# Altium PCB DIOT_Backplane.pcbdoc (part 1 of 11) (continued)
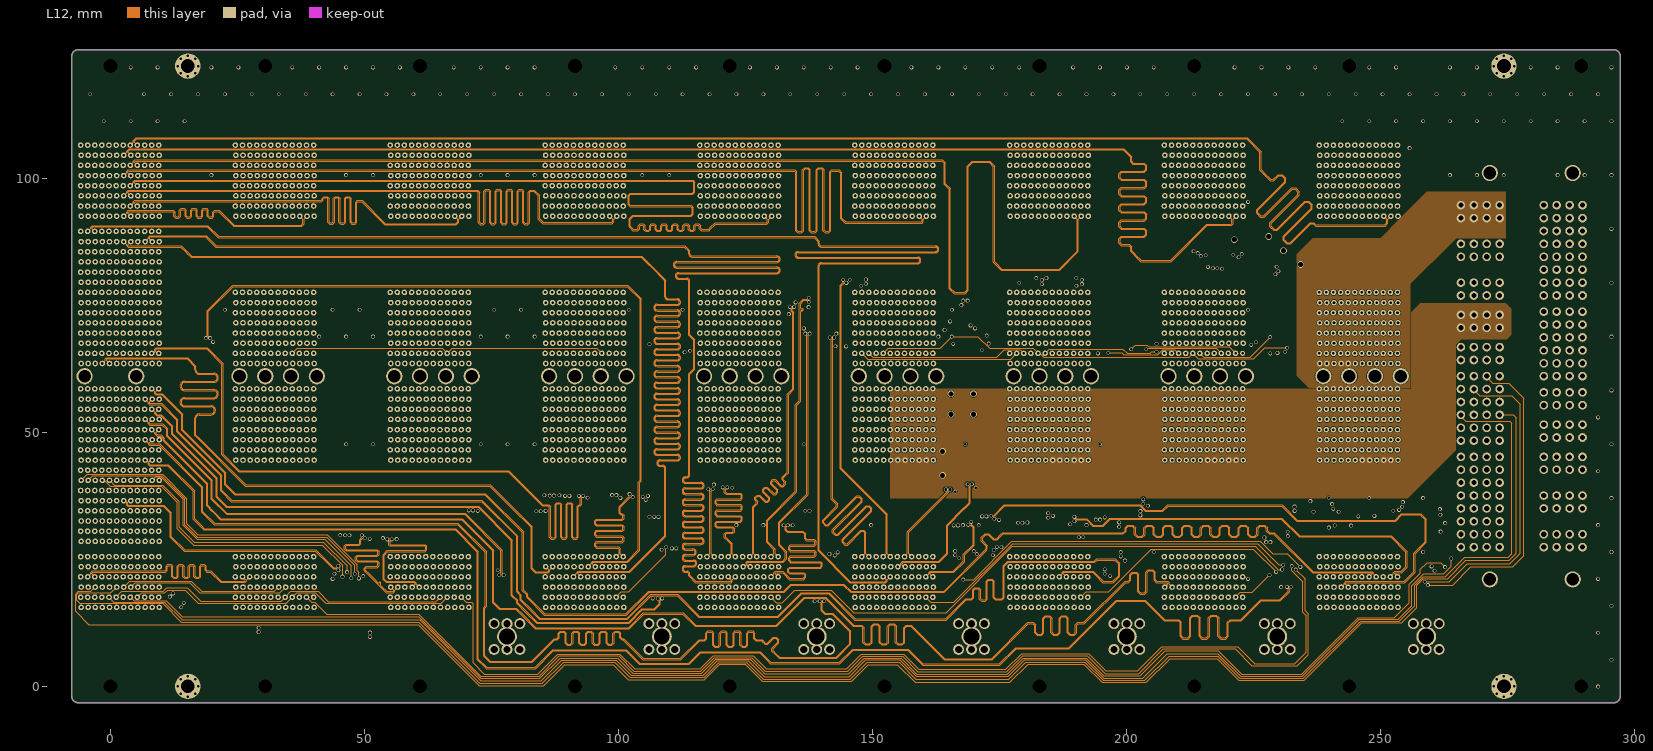
[diagram p12: L12]
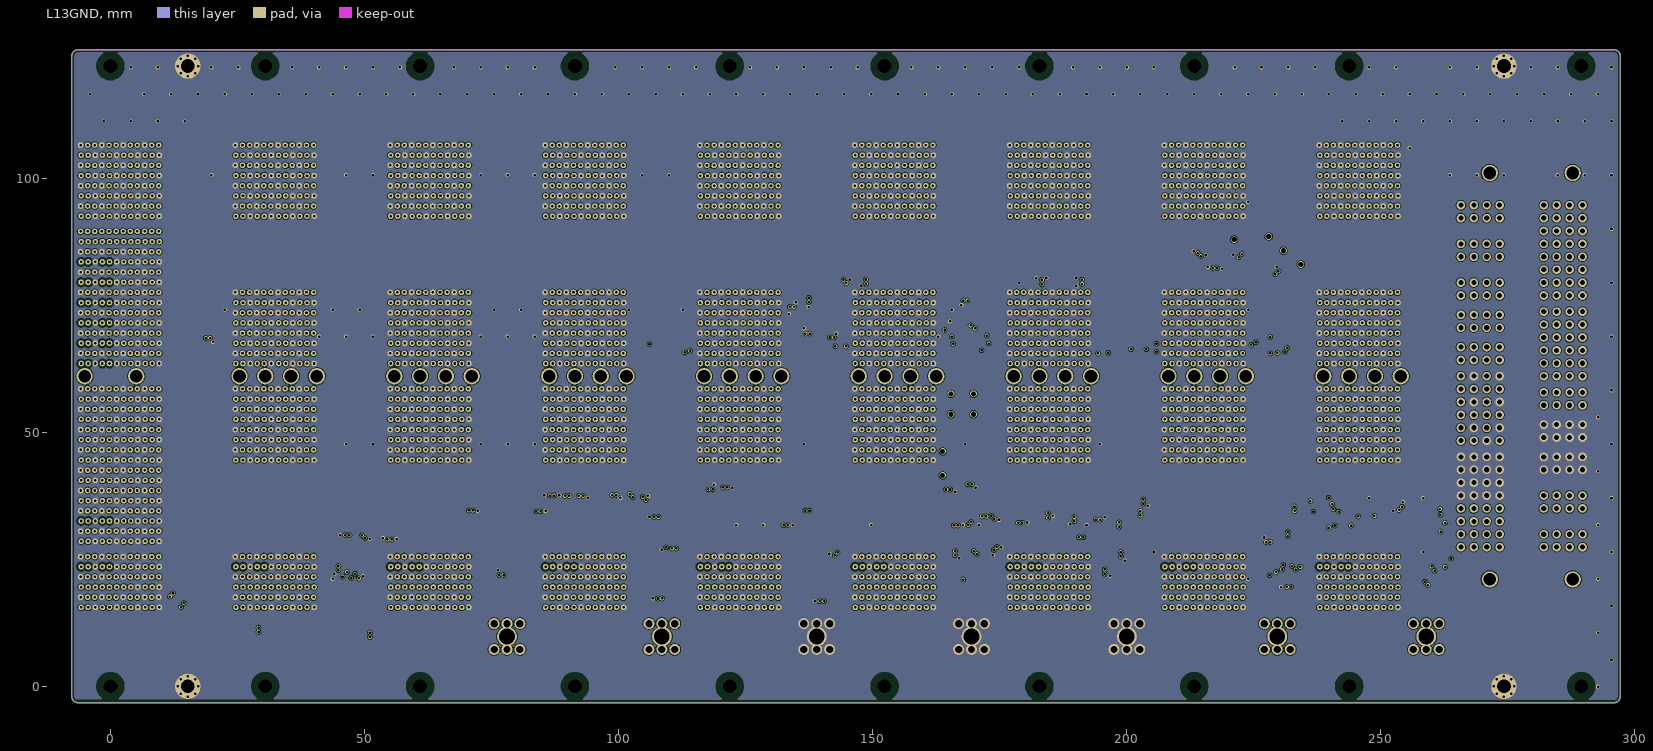
[diagram p13: L13GND]

## Layer stack, top to bottom
Top Solder: solder mask 0.01, Solder Resist, Dk 3.5
Top Layer: signal copper 0.035
Dielectric1: dielectric 0.18, FR-4, Dk 4.3
L2: signal copper 0.0175
Dielectric2: dielectric 0.2, FR-4, Dk 4.3
L3GND: signal copper 0.0175
Dielectric3: dielectric 0.18, FR-4, Dk 4.3
L4: signal copper 0.0175
Dielectric4: dielectric 0.2, FR-4, Dk 4.3
L5GND: signal copper 0.0175
Dielectric5: dielectric 0.18, FR-4, Dk 4.3
L6: signal copper 0.0175
Dielectric6: prepreg 0.2, FR-4, Dk 4.3
L7GND: signal copper 0.0175
Dielectric7: prepreg 1.5, FR-4, Dk 4.3
L8: signal copper 0.0175
Dielectric8: dielectric 0.2, FR-4, Dk 4.3
L9GND: signal copper 0.0175
Dielectric9: dielectric 0.18, FR-4, Dk 4.3
L10: signal copper 0.0175
Dielectric10: dielectric 0.2, FR-4, Dk 4.3
L11GND: signal copper 0.0175
Dielectric11: dielectric 0.18, FR-4, Dk 4.3
L12: signal copper 0.0175
Dielectric12: dielectric 0.2, FR-4, Dk 4.3
L13GND: signal copper 0.0175
Dielectric13: dielectric 0.18, FR-4, Dk 4.3
Bottom Layer: signal copper 0.035
Bottom Solder: solder mask 0.01, Solder Resist, Dk 3.5

## Board outline
-7.6,-1.997 -7.6,124.1 cw(c-6.4,124.1) -6.4,125.3 296,125.3 cw(c296,124.1) 297.2,124.1 297.2,-2 cw(c296,-2) 296,-3.2 -6.4,-3.2 cw(c-6.4,-2)

## Design rules (kind name [scope] priority, off if disabled: settings)
AcuteAngle [All] p1: minimum=6.00000000000000E+0001 checktracksonly=FALSE
Clearance Clearance_Diff2Diff [InAnyDifferentialPair vs InAnyDifferentialPair] p1 off: gap=0.3 ignorepadtopadclearanceinfootprint=FALSE
Clearance Clearance_KeepOut [IsKeepOut vs (InPadClass('DIN')) or InPolygon] p2: gap=0.4 ignorepadtopadclearanceinfootprint=FALSE except(0.1: Arc-THPad Track-THPad)
Clearance Clearance_Diff_poly [IsRegion and not InNet('GND') vs InNetClass('SIGNAL') or InNetClass('CLK')] p3: gap=0.3 ignorepadtopadclearanceinfootprint=FALSE
Clearance Clearance_Mires [OnLayer('Keep-Out Layer') vs HasFootprint('FIDUCIAL_TOP_S200-400') or HasFootprint('FIDUCIAL_TOP_C100-200') or HasFootprint('FIDUCIAL_TOP_S100-200')] p4: gap=0 ignorepadtopadclearanceinfootprint=FALSE except(4.9: Arc-SMDPad Track-SMDPad)
Clearance Clearance_power_poly [(InNet('Vext1') or InNet('Vext2') or InNet('Vext3') or InNet('Vext4')) and IsRegion  and OnMid vs not IsDifferentialPair] p5: gap=0.075 ignorepadtopadclearanceinfootprint=FALSE except(0.15: Poly-Poly)
Clearance "Clearance MGT Poly" [InDifferentialPairClass('DIFF_MGT_Rx_Tx') vs IsRegion] p6: gap=0.4 ignorepadtopadclearanceinfootprint=FALSE
Clearance "Clearence 3_PadClass" [InPadClass('Pad Class Clearance 3') vs not OnLayer('Edge.Cuts')] p7: gap=1.5 ignorepadtopadclearanceinfootprint=FALSE
Clearance "Clearence 1_PadClass" [InPadClass('Pad Class Clearance 1') vs not OnLayer('Edge.Cuts')] p8: gap=1 ignorepadtopadclearanceinfootprint=FALSE
Clearance Clearance_poly [IsRegion] p9: gap=0.15 ignorepadtopadclearanceinfootprint=FALSE
Clearance Clearance_Diff_Via [InAnyDifferentialPair vs IsVia] p10: gap=0.102 ignorepadtopadclearanceinfootprint=FALSE
Clearance "Clearance DIFF L14" [InNetClass('CLK') OR InNetClass('MGT_Rx_Tx')  OR InNetClass('SIGNAL') vs OnLayer('Bottom Layer')] p11: gap=0.102 ignorepadtopadclearanceinfootprint=FALSE except(0.152: Arc-Fill Arc-Poly Arc-Region Track-Fill Track-Poly Track-Region)
Clearance "Clearance DIFF L2 L4 L8 L10" [InNetClass('CLK') OR InNetClass('MGT_Rx_Tx')  OR InNetClass('SIGNAL') vs OnLayer('L2') OR OnLayer('L4') OR OnLayer('L8') OR OnLayer('L10') OR OnLayer('L12')] p12: gap=0.102 ignorepadtopadclearanceinfootprint=FALSE except(0.127: Arc-Arc Arc-Track Track-Track; 0.152: Arc-Fill Arc-Poly Arc-Region Track-Fill Track-Poly Track-Region; 0.254: Via-Via)
Clearance "Clearance DIFF L6" [InNetClass('CLK') OR InNetClass('MGT_Rx_Tx')  OR InNetClass('SIGNAL') vs OnLayer('L8')] p13: gap=0.102 ignorepadtopadclearanceinfootprint=FALSE except(0.15: Arc-Arc Arc-Track Track-Track; 0.152: Arc-Fill Arc-Poly Arc-Region Track-Fill Track-Poly Track-Region)
Clearance "Clearence 0,4_NetClass" [InNetClass('MGT')] p14: gap=0.4 ignorepadtopadclearanceinfootprint=FALSE
Clearance "Clearence 0,102_NetClass" [InNetClass('Default') OR InNetClass('DIFF_CLK') OR InNetClass('DIFF_MGT_Rx_Tx')  OR InNetClass('DIFF_SIGNAL')OR InNetClass('high_curr')] p15: gap=0.102 ignorepadtopadclearanceinfootprint=FALSE
Clearance Clearance_NPTH [Not PadIsPlated and Not IsSMTPin] p16: gap=0.4 ignorepadtopadclearanceinfootprint=FALSE
Clearance [All] p17: gap=0.102 ignorepadtopadclearanceinfootprint=FALSE
ComponentClearance ComponentClearance_1 [InComponent('J2') Or InComponent('J4') vs InComponent('J3') Or InComponent('J5')] p1: gap=0.051 collisioncheckmode=3 verticalgap=0.051 showdistances=FALSE
ComponentClearance ComponentClearance_Amphenol [HasFootprint('AMPHENOL_10052842-101LF') vs HasFootprint('AMPHENOL_10114760-101LF')] p2: gap=0 collisioncheckmode=3 verticalgap=0 showdistances=FALSE
ComponentClearance [All] p3: gap=0.254 collisioncheckmode=3 verticalgap=0.254 showdistances=FALSE
DiffPairsRouting [InDifferentialPairClass('DIFF_CLK') or InDifferentialPairClass('DIFF_MGT_Rx_Tx') or InDifferentialPairClass('DIFF_SIGNAL')] p1: maxlimit=0.254 minlimit=0.102 mostfreqgap=0.254 toplayer_mingap=0.254 toplayer_minwidth=0.381 toplayer_maxwidth=0.381 toplayer_prefwidth=0.381 midlayer1_mingap=0.127 midlayer1_maxgap=0.127 midlayer1_prefgap=0.127 midlayer1_minwidth=0.102 midlayer1_maxwidth=0.102 midlayer1_prefwidth=0.102 midlayer2_mingap=0.254 midlayer2_minwidth=0.381 midlayer2_maxwidth=0.381 midlayer2_prefwidth=0.381 midlayer3_mingap=0.127 midlayer3_maxgap=0.127 midlayer3_prefgap=0.127 midlayer3_minwidth=0.102 midlayer3_maxwidth=0.102 midlayer3_prefwidth=0.102 midlayer4_mingap=0.254 midlayer4_minwidth=0.381 midlayer4_maxwidth=0.381 midlayer4_prefwidth=0.381 midlayer5_mingap=0.15 midlayer5_maxgap=0.15 midlayer5_prefgap=0.15 midlayer5_minwidth=0.12 midlayer5_maxwidth=0.12 midlayer5_prefwidth=0.12 midlayer6_mingap=0.254 midlayer6_minwidth=0.381 midlayer6_maxwidth=0.381 midlayer6_prefwidth=0.381 midlayer7_mingap=0.127 midlayer7_maxgap=0.127 midlayer7_prefgap=0.127 midlayer7_minwidth=0.102 midlayer7_maxwidth=0.102 midlayer7_prefwidth=0.102 midlayer8_mingap=0.254 midlayer8_minwidth=0.381 midlayer8_maxwidth=0.381 midlayer8_prefwidth=0.381 midlayer9_mingap=0.127 midlayer9_maxgap=0.127 midlayer9_prefgap=0.127 midlayer9_minwidth=0.102 midlayer9_maxwidth=0.102 midlayer9_prefwidth=0.102 midlayer10_mingap=0.254 midlayer10_minwidth=0.381 midlayer10_maxwidth=0.381 midlayer10_prefwidth=0.381 midlayer11_mingap=0.127 midlayer11_maxgap=0.127 midlayer11_prefgap=0.127 midlayer11_minwidth=0.102 midlayer11_maxwidth=0.102 midlayer11_prefwidth=0.102 midlayer12_mingap=0.254 midlayer12_minwidth=0.381 midlayer12_maxwidth=0.381 midlayer12_prefwidth=0.381 bottomlayer_maxgap=0.103 bottomlayer_prefgap=0.102 bottomlayer_minwidth=0.15 bottomlayer_maxwidth=0.15 bottomlayer_prefwidth=0.15 maxuncoupledlength=381
HoleSize "Hole Size (Default)" [All] p1: absolutevalues=TRUE maxlimit=10 minlimit=0.5 maxpercent=80.000 minpercent=20.000
HoleToHoleClearance HoleToHoleClearanceAmphenol [HasFootprint('AMPHENOL_10052842-101LF') vs HasFootprint('AMPHENOL_10114760-101LF')] p1: gap=0 allowstackedmicrovias=TRUE
HoleToHoleClearance [All] p2: gap=0.254 allowstackedmicrovias=FALSE
Length Length_CLK [InDifferentialPairClass('DIFF_CLK')] p1: maxlimit=318.05 minlimit=317.9
MatchedLengths MatchedLengths_SLOT1 [InNetClass('SLOT1')] p1: tolerance=25.4 checknetsindiffpair=FALSE checkdiffpairvsdiffpair=TRUE checkxsignals=TRUE checkothers=TRUE usedelayunits=TRUE delaytolerance=50.000000
MatchedLengths MatchedLengths_SLOT2 [InNetClass('SLOT2')] p2: tolerance=25.4 checknetsindiffpair=FALSE checkdiffpairvsdiffpair=TRUE checkxsignals=TRUE checkothers=TRUE usedelayunits=TRUE delaytolerance=50.000000
MatchedLengths MatchedLengths_SLOT3 [InNetClass('SLOT3')] p3: tolerance=25.4 checknetsindiffpair=FALSE checkdiffpairvsdiffpair=TRUE checkxsignals=TRUE checkothers=TRUE usedelayunits=TRUE delaytolerance=50.000000
MatchedLengths MatchedLengths_SLOT4 [InNetClass('SLOT4')] p4: tolerance=25.4 checknetsindiffpair=FALSE checkdiffpairvsdiffpair=TRUE checkxsignals=TRUE checkothers=TRUE usedelayunits=TRUE delaytolerance=50.000000
MatchedLengths MatchedLengths_SLOT5 [InNetClass('SLOT5')] p5: tolerance=25.4 checknetsindiffpair=FALSE checkdiffpairvsdiffpair=TRUE checkxsignals=TRUE checkothers=TRUE usedelayunits=TRUE delaytolerance=50.000000
MatchedLengths MatchedLengths_SLOT6 [InNetClass('SLOT6')] p6: tolerance=25.4 checknetsindiffpair=FALSE checkdiffpairvsdiffpair=TRUE checkxsignals=TRUE checkothers=TRUE usedelayunits=TRUE delaytolerance=50.000000
MatchedLengths MatchedLengths_SLOT7 [InNetClass('SLOT7')] p7: tolerance=25.4 checknetsindiffpair=FALSE checkdiffpairvsdiffpair=TRUE checkxsignals=TRUE checkothers=TRUE usedelayunits=TRUE delaytolerance=50.000000
MatchedLengths MatchedLengths_SLOT8 [InNetClass('SLOT8')] p8: tolerance=25.4 checknetsindiffpair=FALSE checkdiffpairvsdiffpair=TRUE checkxsignals=TRUE checkothers=TRUE usedelayunits=TRUE delaytolerance=50.000000
MatchedLengths [InAnyDifferentialPair] p9: tolerance=0.15 checknetsindiffpair=TRUE checkdiffpairvsdiffpair=FALSE checkxsignals=FALSE checkothers=FALSE
MatchedLengths MatchedLengths_8_MGT [InNetClass('8_MGT')] p10: tolerance=1 checknetsindiffpair=FALSE checkdiffpairvsdiffpair=TRUE checkxsignals=TRUE checkothers=TRUE
MatchedLengths MatchedLengths_7_MGT [InNetClass('7_MGT')] p11: tolerance=1 checknetsindiffpair=FALSE checkdiffpairvsdiffpair=TRUE checkxsignals=TRUE checkothers=TRUE
MatchedLengths MatchedLengths_6_MGT [InNetClass('6_MGT')] p12: tolerance=1 checknetsindiffpair=FALSE checkdiffpairvsdiffpair=TRUE checkxsignals=TRUE checkothers=TRUE
MatchedLengths MatchedLengths_5_MGT [InNetClass('5_MGT')] p13: tolerance=1 checknetsindiffpair=FALSE checkdiffpairvsdiffpair=TRUE checkxsignals=TRUE checkothers=TRUE
MatchedLengths MatchedLengths_4_MGT [InNetClass('4_MGT')] p14: tolerance=1 checknetsindiffpair=FALSE checkdiffpairvsdiffpair=TRUE checkxsignals=TRUE checkothers=TRUE
MatchedLengths MatchedLengths_3_MGT [InNetClass('3_MGT')] p15: tolerance=1 checknetsindiffpair=FALSE checkdiffpairvsdiffpair=TRUE checkxsignals=TRUE checkothers=TRUE
MatchedLengths MatchedLengths_2_MGT [InNetClass('2_MGT')] p16: tolerance=1 checknetsindiffpair=FALSE checkdiffpairvsdiffpair=TRUE checkxsignals=TRUE checkothers=TRUE
MatchedLengths MatchedLengths_1_MGT [InNetClass('1_MGT')] p17: tolerance=1 checknetsindiffpair=FALSE checkdiffpairvsdiffpair=TRUE checkxsignals=TRUE checkothers=TRUE
MatchedLengths MatchedLengths_MGT_InPair [InNetClass('MGT_Rx_Tx')] p18: tolerance=0.1 checknetsindiffpair=TRUE checkdiffpairvsdiffpair=FALSE checkxsignals=FALSE checkothers=FALSE
MinimumSolderMaskSliver [All] p1: minsoldermaskwidth=0
PolygonConnect PolygonConnect_ALL [All] p1: thpad.connectstyle=Direct thpad.reliefconductorwidth=0.254 thpad.reliefentries=4 thpad.polygonreliefangle="90 Angle" thpad.airgapwidth=0.254 smdpad.connectstyle=Relief smdpad.reliefconductorwidth=0.254 smdpad.reliefentries=4 smdpad.polygonreliefangle="90 Angle" smdpad.airgapwidth=0.254 via.connectstyle=Direct via.reliefconductorwidth=0.254 via.reliefentries=4 via.polygonreliefangle="90 Angle" via.airgapwidth=0.254
RoutingVias [All] p1: holewidth=0.711 width=1.27 viastyle="Through Hole" minholewidth=0.711 minwidth=1.27 maxholewidth=0.711 maxwidth=1.27 useviatemplates=TRUE viatemplateguid#1={D397A3DF-CBE5-4B87-9C3F-B71757A83661} viatemplateguid#2={BAC7CBAE-EB89-423B-B6C3-E4C5EBAEB1B7} viatemplateguid#3={4D305572-5C25-42E4-8C41-D5A1270A21B5} viatemplateguid#4={27F3C5B2-AFCF-40FF-B857-C3560FA0AA2D} viatemplatename#1=v75h50 viatemplatename#2=v75h50m0mx0 viatemplatename#3=v85h50 viatemplatename#4=v130h100
ShortCircuit ShortCircuit_NT [InComponent('NT1') or  InComponent('NT2')] p1: allowed=TRUE
ShortCircuit [All] p2: allowed=FALSE
SilkToSilkClearance [All] p1: silktosilkclearance=0.005
SilkToSolderMaskClearance [IsPad] p1: minsilkscreentomaskgap=0.005 clearancetoexposedcopper=TRUE
SolderMaskExpansion SolderMaskExpansion_Via [isvia] p1: expansion=0 istentingtop=TRUE
SolderMaskExpansion [All] p2: expansion=0 istentingtop=FALSE
ViasUnderSMD ViasUnderSMD_Allowed [InPadClass('ViaUnderSMD')] p1: allowed=TRUE
ViasUnderSMD [All] p2: allowed=FALSE
Width Width_DIFF [InNetClass('CLK') OR InNetClass('MGT_Rx_Tx')  OR InNetClass('SIGNAL')] p1: maxlimit=0.254 minlimit=0.102 preferedwidth=0.254 toplayer_minwidth=0.254 midlayer1_maxwidth=0.102 midlayer1_prefwidth=0.102 midlayer2_minwidth=0.254 midlayer3_maxwidth=0.102 midlayer3_prefwidth=0.102 midlayer4_minwidth=0.254 midlayer5_maxwidth=0.102 midlayer5_prefwidth=0.102 midlayer6_minwidth=0.254 midlayer7_maxwidth=0.102 midlayer7_prefwidth=0.102 midlayer8_minwidth=0.254 midlayer9_maxwidth=0.102 midlayer9_prefwidth=0.102 midlayer10_minwidth=0.254 midlayer11_minwidth=0.254 midlayer12_minwidth=0.254 bottomlayer_minwidth=0.15 bottomlayer_maxwidth=0.15 bottomlayer_prefwidth=0.15 minimp=50.000000 maximp=50.000000 favimp=50.000000
Width [All] p2: maxlimit=10.16 minlimit=0.1 preferedwidth=0.305 midlayer1_prefwidth=0.102 midlayer3_prefwidth=0.102 midlayer5_prefwidth=0.119 midlayer7_prefwidth=0.102 midlayer9_prefwidth=0.102 midlayer11_prefwidth=0.102 midlayer12_prefwidth=0.254 bottomlayer_prefwidth=0.15 minimp=50.000000 maximp=50.000000 favimp=50.000000
22 further rules are at their usual default settings.

## Classes and differential pairs
net class SLOT8: 8_DIFF_0_N 8_DIFF_0_P 8_DIFF_1_N 8_DIFF_1_P 8_DIFF_2_N 8_DIFF_2_P 8_DIFF_3_N 8_DIFF_3_P 8_DIFF_4_N 8_DIFF_4_P 8_DIFF_5_N 8_DIFF_5_P 8_DIFF_6_N 8_DIFF_6_P 8_DIFF_7_N 8_DIFF_7_P 8_DIFF_8_N 8_DIFF_8_P 8_DIFF_9_N 8_DIFF_9_P 8_DIFF_10_N 8_DIFF_10_P 8_DIFF_11_N 8_DIFF_11_P 8_DIFF_12_N 8_DIFF_12_P 8_DIFF_13_N 8_DIFF_13_P 8_DIFF_14_N 8_DIFF_14_P 8_DIFF_15_N 8_DIFF_15_P
net class SLOT7: 7_DIFF_0_N 7_DIFF_0_P 7_DIFF_1_N 7_DIFF_1_P 7_DIFF_2_N 7_DIFF_2_P 7_DIFF_3_N 7_DIFF_3_P 7_DIFF_4_N 7_DIFF_4_P 7_DIFF_5_N 7_DIFF_5_P 7_DIFF_6_N 7_DIFF_6_P 7_DIFF_7_N 7_DIFF_7_P 7_DIFF_8_N 7_DIFF_8_P 7_DIFF_9_N 7_DIFF_9_P 7_DIFF_10_N 7_DIFF_10_P 7_DIFF_11_N 7_DIFF_11_P 7_DIFF_12_N 7_DIFF_12_P 7_DIFF_13_N 7_DIFF_13_P 7_DIFF_14_N 7_DIFF_14_P 7_DIFF_15_N 7_DIFF_15_P
net class SLOT6: 6_DIFF_0_N 6_DIFF_0_P 6_DIFF_1_N 6_DIFF_1_P 6_DIFF_2_N 6_DIFF_2_P 6_DIFF_3_N 6_DIFF_3_P 6_DIFF_4_N 6_DIFF_4_P 6_DIFF_5_N 6_DIFF_5_P 6_DIFF_6_N 6_DIFF_6_P 6_DIFF_7_N 6_DIFF_7_P 6_DIFF_8_N 6_DIFF_8_P 6_DIFF_9_N 6_DIFF_9_P 6_DIFF_10_N 6_DIFF_10_P 6_DIFF_11_N 6_DIFF_11_P 6_DIFF_12_N 6_DIFF_12_P 6_DIFF_13_N 6_DIFF_13_P 6_DIFF_14_N 6_DIFF_14_P 6_DIFF_15_N 6_DIFF_15_P
net class SLOT5: 5_DIFF_0_N 5_DIFF_0_P 5_DIFF_1_N 5_DIFF_1_P 5_DIFF_2_N 5_DIFF_2_P 5_DIFF_3_N 5_DIFF_3_P 5_DIFF_4_N 5_DIFF_4_P 5_DIFF_5_N 5_DIFF_5_P 5_DIFF_6_N 5_DIFF_6_P 5_DIFF_7_N 5_DIFF_7_P 5_DIFF_8_N 5_DIFF_8_P 5_DIFF_9_N 5_DIFF_9_P 5_DIFF_10_N 5_DIFF_10_P 5_DIFF_11_N 5_DIFF_11_P 5_DIFF_12_N 5_DIFF_12_P 5_DIFF_13_N 5_DIFF_13_P 5_DIFF_14_N 5_DIFF_14_P 5_DIFF_15_N 5_DIFF_15_P
net class SLOT4: 4_DIFF_0_N 4_DIFF_0_P 4_DIFF_1_N 4_DIFF_1_P 4_DIFF_2_N 4_DIFF_2_P 4_DIFF_3_N 4_DIFF_3_P 4_DIFF_4_N 4_DIFF_4_P 4_DIFF_5_N 4_DIFF_5_P 4_DIFF_6_N 4_DIFF_6_P 4_DIFF_7_N 4_DIFF_7_P 4_DIFF_8_N 4_DIFF_8_P 4_DIFF_9_N 4_DIFF_9_P 4_DIFF_10_N 4_DIFF_10_P 4_DIFF_11_N 4_DIFF_11_P 4_DIFF_12_N 4_DIFF_12_P 4_DIFF_13_N 4_DIFF_13_P 4_DIFF_14_N 4_DIFF_14_P 4_DIFF_15_N 4_DIFF_15_P
net class SLOT3: 3_DIFF_0_N 3_DIFF_0_P 3_DIFF_1_N 3_DIFF_1_P 3_DIFF_2_N 3_DIFF_2_P 3_DIFF_3_N 3_DIFF_3_P 3_DIFF_4_N 3_DIFF_4_P 3_DIFF_5_N 3_DIFF_5_P 3_DIFF_6_N 3_DIFF_6_P 3_DIFF_7_N 3_DIFF_7_P 3_DIFF_8_N 3_DIFF_8_P 3_DIFF_9_N 3_DIFF_9_P 3_DIFF_10_N 3_DIFF_10_P 3_DIFF_11_N 3_DIFF_11_P 3_DIFF_12_N 3_DIFF_12_P 3_DIFF_13_N 3_DIFF_13_P 3_DIFF_14_N 3_DIFF_14_P 3_DIFF_15_N 3_DIFF_15_P
net class SLOT2: 2_DIFF_0_N 2_DIFF_0_P 2_DIFF_1_N 2_DIFF_1_P 2_DIFF_2_N 2_DIFF_2_P 2_DIFF_3_N 2_DIFF_3_P 2_DIFF_4_N 2_DIFF_4_P 2_DIFF_5_N 2_DIFF_5_P 2_DIFF_6_N 2_DIFF_6_P 2_DIFF_7_N 2_DIFF_7_P 2_DIFF_8_N 2_DIFF_8_P 2_DIFF_9_N 2_DIFF_9_P 2_DIFF_10_N 2_DIFF_10_P 2_DIFF_11_N 2_DIFF_11_P 2_DIFF_12_N 2_DIFF_12_P 2_DIFF_13_N 2_DIFF_13_P 2_DIFF_14_N 2_DIFF_14_P 2_DIFF_15_N 2_DIFF_15_P
net class SLOT1: 1_DIFF_0_N 1_DIFF_0_P 1_DIFF_1_N 1_DIFF_1_P 1_DIFF_2_N 1_DIFF_2_P 1_DIFF_3_N 1_DIFF_3_P 1_DIFF_4_N 1_DIFF_4_P 1_DIFF_5_N 1_DIFF_5_P 1_DIFF_6_N 1_DIFF_6_P 1_DIFF_7_N 1_DIFF_7_P 1_DIFF_8_N 1_DIFF_8_P 1_DIFF_9_N 1_DIFF_9_P 1_DIFF_10_N 1_DIFF_10_P 1_DIFF_11_N 1_DIFF_11_P 1_DIFF_12_N 1_DIFF_12_P 1_DIFF_13_N 1_DIFF_13_P 1_DIFF_14_N 1_DIFF_14_P 1_DIFF_15_N 1_DIFF_15_P